# Altium PCB S7.PcbDoc (part 6 of 6)
Units mm, origin at the board's own origin, x right, y up, seen from the top; angles counter-clockwise.
Board outline 50 x 40 mm, 6 copper layers (Component Side, Inner1, Inner2, Inner3, Inner4, Solder Side), stack 0.696 mm thick; 260 components, 298 nets, 1407 pads, 891 vias.
Unrouted connection lines stored in the file: 262.
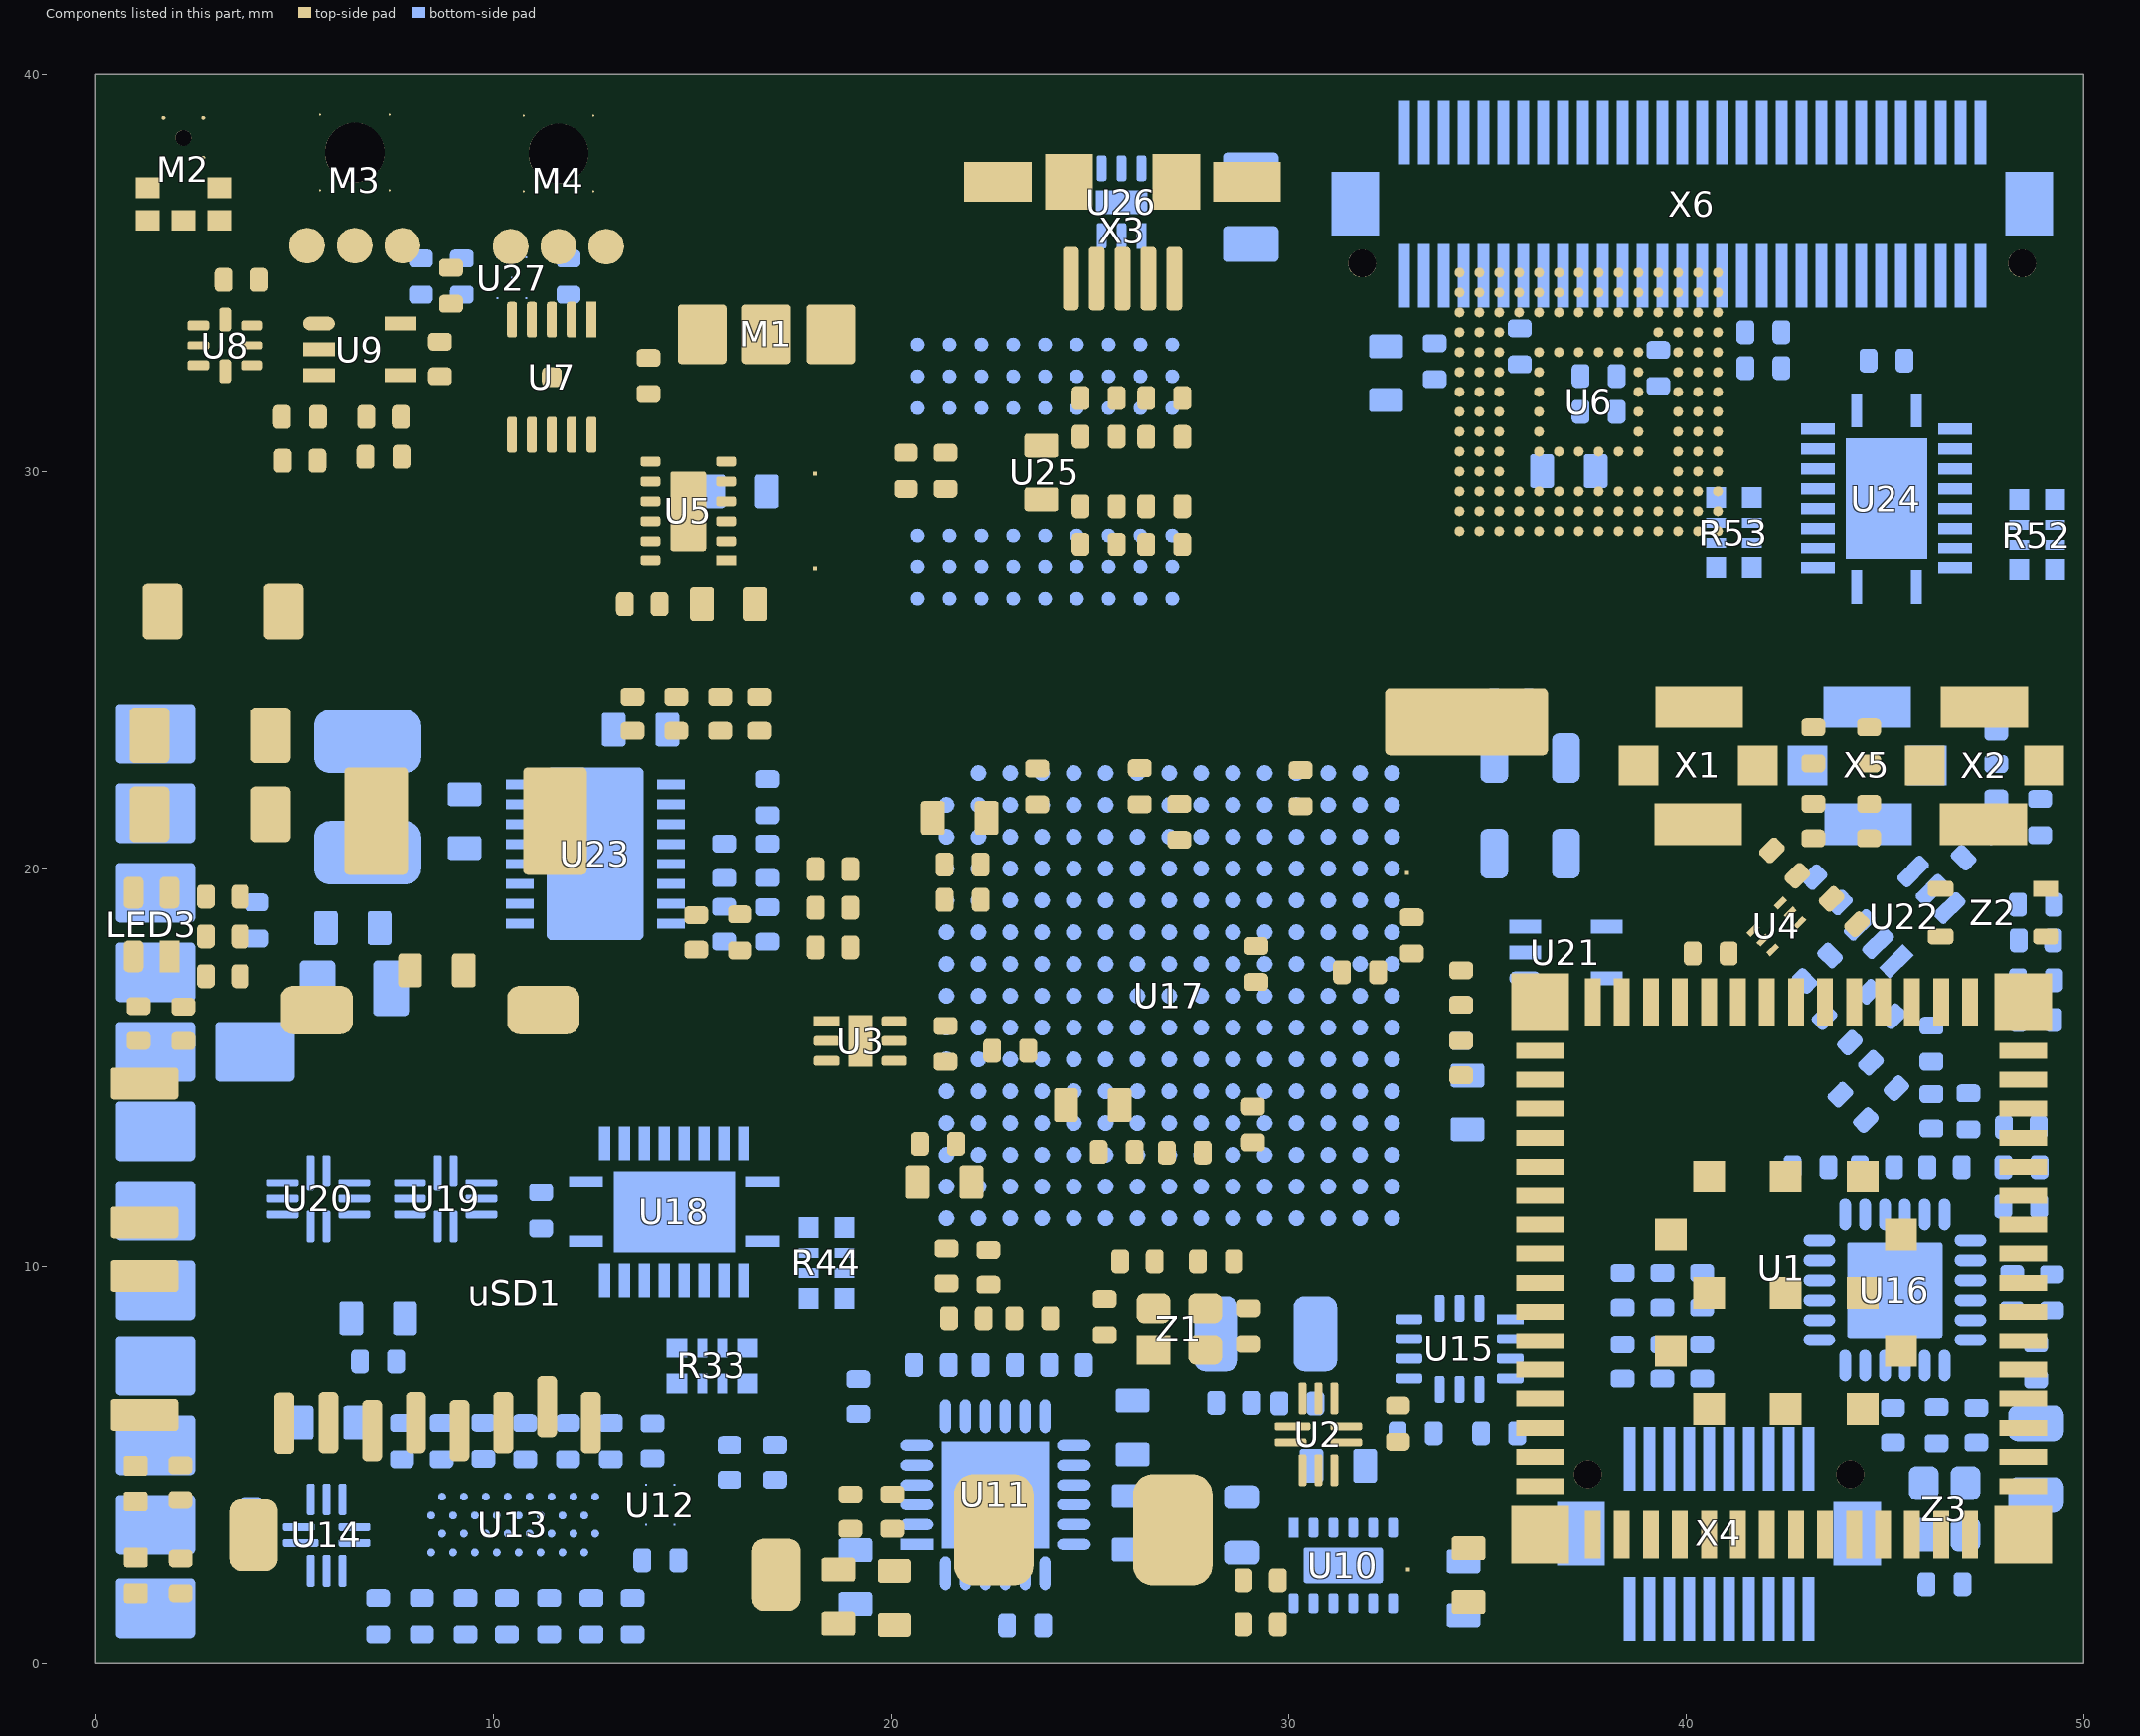
[diagram p10: the components of this part, seen from the top]

## Other copper (continued)
Inner4:
  pour cut-out: 43,11.9 43,13 44.3,14.3 44.3,15.3 44.1,15.5 43.2,15.5 42,16.7 42,17.6 42.8,18.4 42.8,19.1 43.8,20.1 44.3,20.1 44.6,19.8 45.3,19.8 46.5,21 46.5,21.5 46.2,21.8 45,21.8 44.8,22 44.8,23.3 45.1,23.6 46.6,23.6 47,24 48.3,24 49.5,22.8 49.5,21.3 49.3,21.1 48.7,21.1 48.5,20.9 48.5,20.5 46.4,18.4 46.4,17.4 47.3,16.5 47.3,15.5 47.5,15.3 47.8,15.3 48.3,14.8 48.3,14.6 48.8,14.1 48.8,12.8 48.5,12.5 48,12.5 47.8,12.3 47.8,11.9 47.5,11.6 47.1,11.6 46.8,11.3 46.8,10.7 46.5,10.4 44.6,10.4 44.4,10.6 44.4,11.5 44.2,11.7 43.2,11.7
Solder Side:
  pour cut-out: 0,25 0.5,25 0.5,0 0,0
  pour cut-out: 8.1,4.5 8.1,2.5 13,2.5 12.9,2.6 12.9,4.5
  pour cut-out: 32.5,35.6 47.7,35.6 47.7,34.3 32.5,34.3
  pour cut-out: 32.6,39.2 47.7,39.2 47.7,37.9 32.6,37.9
  pour cut-out: 38.3,2 43.3,2 43.3,0.8 38.3,0.8
  pour cut-out: 38.2,5.9 38.2,4.5 43.3,4.5 43.3,5.9
  pour cut-out: 33.1,22.9 33.1,10.5 20.8,10.5 20.8,22.9
  pour cut-out: 20,33.7 20,26.4 28,26.4 28,33.7
Inner3 (plane layer: these items are gaps in the copper):
  lines w0.15: 12.3,0.015 12.3,1.744 ; 12.3,1.6 12.3,3.9 14.4,6 15.4,6 20.2,10.8 20.2,15 18.9,16.3 18.9,20.8 22.4,24.3 28.3,24.3 31.9,27.9 31.9,33.7 32.4,34.2 39.1,34.2 39.5,33.8 39.5,32.9 40.6,31.8 42.2,31.8 44.8,34.4 50,34.4 ; 38.3,10.7 38.3,10.8 ; 50,10.2 49.5,10.2 49,9.7 49,7.6 48.5,7.1 38.6,7.1 38.3,7.4 38.3,10.8 ; 50,25.4 39.8,25.4 38.3,23.9 38.3,13.3 ; 38.3,10.8 39.1,11.6 39.1,12.5 ; 38.3,13.3 39.1,12.5 ; 38.3,13.3 38.3,13.3 ; 39.1,12.5 39.1,12.5 ; 39.1,12.5 39.1,12.5

## Silkscreen, mask and mechanical layers (free items; w line width, h text height)
Top Overlay:
  circle w0.01: c8.6,2.201 r0.1
  lines w0.15: 0.6,25 49.412,25 ; 4.632,34.992 8.39,35.005 8.392,39.712 4.632,39.712 4.632,34.992 ; 9.757,34.967 13.518,34.967 13.517,39.687 9.757,39.687 9.757,34.967
Bottom Overlay:
  lines w0.15: 0.6,25 49.412,25
Mechanical 1:
  the board outline again, w0.01
Mechanical 12:
  lines w0.1: 0,25 50,25

## Text inside footprints (layer, text, board x,y; h text height)
uSD1: Mechanical 2 "PCB edge" at 7.91,0.037 h0.6